# Altium PCB LED_MainBorad.PcbDoc
Units mil, origin at the board's own origin, x right, y up, seen from the top; angles counter-clockwise.
Board outline 4050.03 x 2790.03 mil, 2 copper layers (Top Layer, Bottom Layer); 119 components, 80 nets, 442 pads, 292 vias.
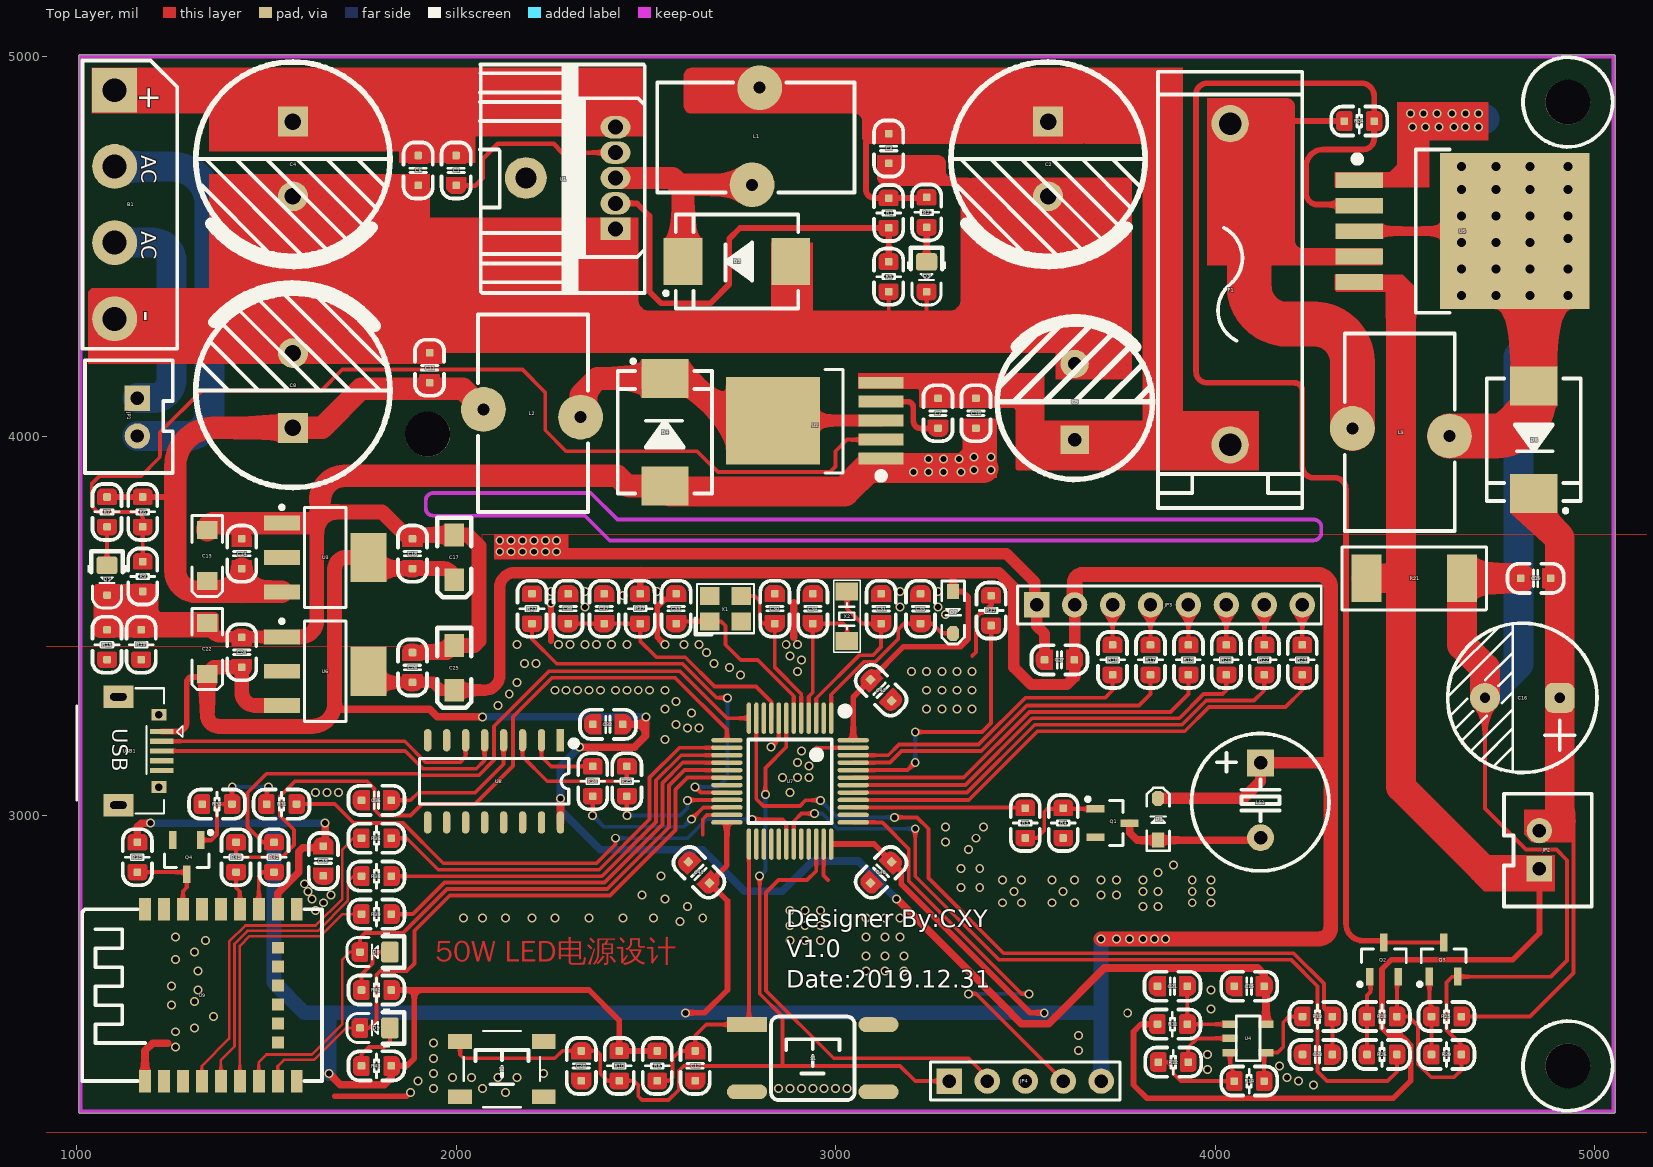
[diagram p0: Top Layer view]
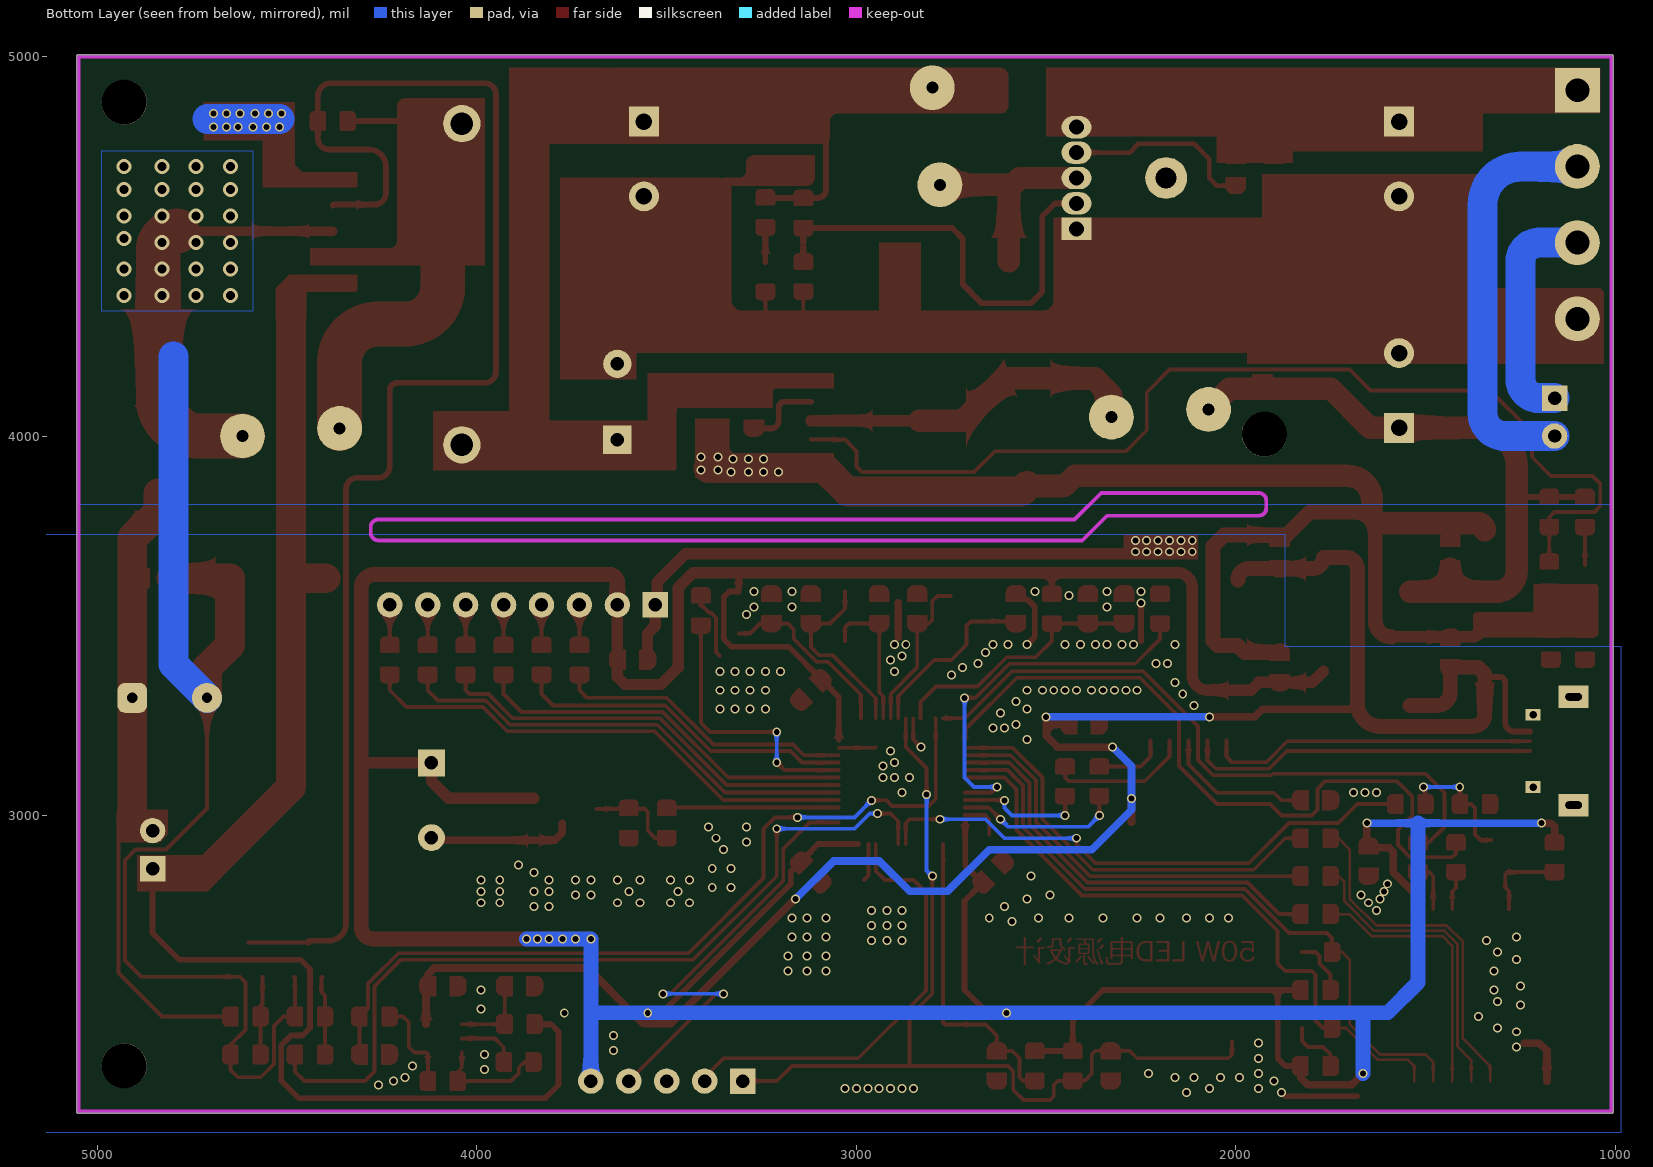
[diagram p1: Bottom Layer view, seen from below]

## Layer stack, top to bottom
Top Solder: solder mask 0.4, Solder Resist, Dk 3.5
Top Layer: signal copper 1.4
Dielectric 1: dielectric 12.6, FR-4, Dk 4.8
Bottom Layer: signal copper 1.4
Bottom Solder: solder mask 0.4, Solder Resist, Dk 3.5

## Board outline
1010,2214.99 cw(c1010,2220) 1004.99,2220 1004.99,5000 cw(c1010,5000) 1010,5005.02 5050,5005.02 cw(c5050,5000) 5055.02,5000 5055.02,2220 cw(c5050,2220) 5050,2214.99

## Design rules (kind name [scope] priority, off if disabled: settings)
Clearance Clearance_4 [InNamedPolygon('NONET_L02_P008')] p1: gap=10 ignorepadtopadclearanceinfootprint=FALSE except(0: Arc-Hole Track-Hole SMDPad-Hole THPad-Hole Via-Hole Fill-Hole Poly-Hole Region-Hole Text-Hole)
Clearance Clearance_3 [InNamedPolygon('NONET_L02_P006')] p2: gap=15 ignorepadtopadclearanceinfootprint=FALSE except(0: Arc-Hole Track-Hole SMDPad-Hole THPad-Hole Via-Hole Fill-Hole Poly-Hole Region-Hole Text-Hole)
Clearance Clearance_2 [InNamedPolygon('NONET_L01_P004')] p3: gap=15 ignorepadtopadclearanceinfootprint=FALSE except(0: Arc-Hole Track-Hole SMDPad-Hole THPad-Hole Via-Hole Fill-Hole Poly-Hole Region-Hole Text-Hole)
Clearance Clearance_1 [InNamedPolygon('NONET_L02_P000')] p4: gap=15 ignorepadtopadclearanceinfootprint=FALSE except(0: Arc-Hole Track-Hole SMDPad-Hole THPad-Hole Via-Hole Fill-Hole Poly-Hole Region-Hole Text-Hole)
Clearance [All] p5: gap=7 ignorepadtopadclearanceinfootprint=FALSE except(0: Arc-Hole Track-Hole SMDPad-Hole THPad-Hole Via-Hole Fill-Hole Poly-Hole Region-Hole Text-Hole)
PolygonConnect PolygonConnect_4 [All vs IsNamedPolygon('NONET_L02_P008')] p1: connectstyle=Direct reliefconductorwidth=10 reliefentries=4 polygonreliefangle="90 Angle" airgapwidth=10
PolygonConnect PolygonConnect_3 [All vs IsNamedPolygon('NONET_L02_P006')] p2: connectstyle=Direct reliefconductorwidth=10 reliefentries=4 polygonreliefangle="90 Angle" airgapwidth=10
PolygonConnect PolygonConnect_2 [All vs IsNamedPolygon('NONET_L01_P004')] p3: connectstyle=Direct reliefconductorwidth=10 reliefentries=4 polygonreliefangle="90 Angle" airgapwidth=10
PolygonConnect PolygonConnect_1 [All vs IsNamedPolygon('NONET_L02_P000')] p4: connectstyle=Direct reliefconductorwidth=10 reliefentries=4 polygonreliefangle="90 Angle" airgapwidth=10
PolygonConnect [All] p5: connectstyle=Relief reliefconductorwidth=10 reliefentries=4 polygonreliefangle="90 Angle" airgapwidth=10
RoomDefinition LED [InComponentClass('LED')] p1: confinementstyle=ConfineIn formatcopy=TRUE lockcomponents=FALSE outline 0,0 38625,0 38625,8395 0,8395
RoutingVias [All] p1: holewidth=23.62 width=15.75 viastyle="Through Hole" minholewidth=20 minwidth=10 maxholewidth=157.48 maxwidth=78.74
SolderMaskExpansion [All] p1: expansion=4 istentingtop=FALSE
Width [All] p1: maxlimit=196.85 minlimit=7 preferedwidth=10
30 further rules are at their usual default settings.

## Components (designator, comment, footprint, x,y, rotation, side; value= is the part's Value field where it differs from the comment)
B1 "KBL608" KBL 1100,4610 r270 top
C1 "1uF" 0805CC 2000,4700 r90 top
C2 "1000uF/35V" "CAP 5.0*12.5*20" 3560,4730 r270 top
C3 "1uF" 0805CC 3140,4757.72 r90 top
C4 "470uF/50V" "CAP 5.0*12.5*20" 1570,4730 r270 top
C6 "1uF" 0805CC 1900,4700 r90 top
C7 "1uF" 0805CC 3270,4060 r90 top
C8 "680uF/35V" "CAP 5.0*12.5*20" 1570,4120 r90 top
C9 "470uF/50V" "CAP 5.0*10*16" 3630,4090 r90 top
C10 "1uF" 0805CC 3370,4060 r90 top
C11 "1uF" 0805CC 1930,4180 r270 top
C12 "100nF" 0805CC 2630,2340 r270 top
C13 "470uF/35V" "CD A(3216)" 1344.19,3685 r90 top
C14 "100nF" 0805CC 1435,3690 r270 top
C15 "100nF" 0805CC 4090,2550 r180 top
C16 "100uF/60V" CAP-10mm 4810,3310 r270 top
C17 "470uF/35V" C3216 1995,3680 r90 top
C18 "100nF" 0805CC 1885,3690 r270 top
C19 "100nF" 0805CC 4845,3625 r0 top
C20 "10uF" 0805CC 2330,2340 r90 top
C21 "100nF" 0805CC 3887.72,2550 r180 top
C22 "470uF/35V" "CD A(3216)" 1344.19,3440 r90 top
C23 "100nF" 0805CC 4270,2370 r180 top
C24 "100nF" 0805CC 1435,3430 r270 top
C25 "470uF/35V" C3216 1995,3389.06 r90 top
C26 "100nF" 0805CC 1885,3390 r270 top
C27 "100nF" 0805CC 3590,3410 r180 top
C30 "22p" 0805CC 2840,3545 r270 top
C31 "22p" 0805CC 3120,3545 r90 top
C32 "100nF" 0805CC 2400,3240 r180 top
C33 "22p" 0805CC 2580,3545 r270 top
C34 "22p" 0805CC 2940,3545 r90 top
C35 "100nF" 0805CC 3223.91,3545 r90 top
C36 "100nF" 0805CC 1790,3040 r180 top
C37 "10uF" 0805CC 2390,3545 r270 top
C38 "100nF" 0805CC 2295,3545 r270 top
C39 "100nF" 0805CC 1650,2880 r90 top
C40 "1uF" 0805CC 3120,2850 r45 top
C41 "100nF" 0805CC 2640,2850 r315 top
C42 "10nF" 0805CC 3120,3330 r135 top
D1 "1N4148" SOD-323 3850,2990 r90 top
D2 "B540" SMCC 2740,4460 r180 top
D3 "LED" 0805LED 3240,4419.37 r270 top
D4 "B540" SMCC 2550,4010 r90 top
D5 "LED" 0805LED 1080,3620 r270 top
D6 "SR506" SMCC 4840,3990 r270 top
D7 "1N4148" SOD-323 3310,3535 r270 top
D8 "LED" 0805LED 1786.05,2640 r180 top
D9 "LED" 0805LED 1786.05,2440 r180 top
F1 "3A" "FU BLX-A" 4040,4400 r90 top
JP1 "HDR-1X2" XH2.54-LI-2P 1160,4050 r270 top
JP2 "HDR-1X2" XH2.54-LI-2P 4855,2910 r90 top
JP3 "HDR-1X8" HDR2.54-M-LI-8P 3880,3555 r0 top
JP4 "HDR-1X5" HDR2.54-LI-5P 3500,2300 r0 top
L1 "47uH  5A" LMR135 2800,4790 r270 top
L2 "47uH  5A" LMR135 2200,4070 r0 top
L3 "47uH  5A" LMR135 4490,4000 r180 top
LS1 "DC5V" "BEEP 5x9x5.5" 4120,3040 r180 top
Q1 "SS8050" SOT23-3N 3730,2980 r270 top
Q2 "SS8050" SOT23-3N 4445,2620 r0 top
Q3 "SS8050" SOT23-3N 4602.63,2620.19 r0 top
Q4 "SS8050" SOT23-3N 1290,2890 r180 top
R1 "360K" 0805RR 3140,4587.72 r90 top
R2 "10K" 0805RR 3240,4589.37 r270 top
R3 "1K" 0805RR 3500,2980 r270 top
R4 "10K" 0805RR 3600,2980 r270 top
R5 "2K" 0805RR 3140,4420.03 r90 top
R6 "13K" 0805RR 1174.09,3800 r90 top
R7 "10K" 0805RR 1080,3800 r270 top
R8 "10K" 0805RR 2530,2340 r90 top
R9 "1.5K" 0805RR 1174.09,3629.72 r90 top
R10 "10K" 0805RR 2430,2340 r90 top
R11 "1K" 0805RR 3887.72,2450 r0 top
R12 "1K" 0805RR 3890,2350 r0 top
R13 "1K" 0805RR 4270,2470 r180 top
R14 "10K" 0805RR 4090,2300 r180 top
R15 "0R" 0805RR 1080,3450 r270 top
R16 "200R" 0805RR 3730,3410 r90 top
R17 "200R" 0805RR 3830,3410 r90 top
R18 "200R" 0805RR 3930,3410 r90 top
R19 "0R" 0805RR 1170,3450 r270 top
R20 "200R" 0805RR 4030,3410 r90 top
R21 "0.22R 1W" 2512R 4525,3625 r180 top
R22 "200R" 0805RR 4130,3410 r90 top
R23 "200R" 0805RR 4230,3410 r90 top
R24 "200K" 0805RR 4380,4830 r180 top
R25 "300K" 0805RR 4610,2470 r0 top
R26 "1K" 0805RR 4440,2370 r180 top
R27 "10K" 0805RR 2200,3545 r90 top
R28 "10K" 0805RR 4440,2470 r0 top
R29 "3.3K" 0805RR 4610,2370 r180 top
R30 "10K" 0805RR 1160,2890 r270 top
R31 "1K" 0805RR 1540,3030 r180 top
R32 "10K" 0805RR 3410,3540 r270 top
R33 "10K" 0805RR 1370,3030 r180 top
R34 "220" 0805RR 2360,3090 r90 top
R35 "220" 0805RR 2450,3090 r90 top
R36 "220" 0805RR 1790,2940 r180 top
R37 "0R" 0805RR 2485,3545 r90 top
R38 "220" 0805RR 1790,2840 r180 top
R39 "220" 0805RR 1790,2740 r180 top
R40 "10R" 0805RR 1420,2890 r90 top
R41 "10R" 0805RR 1520,2890 r90 top
R42 "220" 0805RR 1790,2540 r180 top
R43 "220" 0805RR 1790,2340 r180 top
S1 "SW-PB" "TSW SMD-6*6*6" 2940,2360 r0 top
S2 "SW-PB" "TSW SMD-4*4*1.5" 2120.73,2331.61 r0 top
U1 "XL4016" TO220-5A 2420,4680 r90 top
U2 "XL4013" TO252-5 2910,4040 r90 top
U3 "AMS1117-5.0" SOT223_N 1655,3680 r0 top
U4 "LM321" SOT23-5 4040,2450 r270 top
U5 "XL6006" TO263-5A 4380,4540 r270 top
U6 "AMS1117-3.3" SOT223_N 1655,3380 r0 top
U7 "STM32F103C8" "LQFP48 7X7_M" 2880,3090 r180 top
U8 "CH340C" SOP16_L 2100,3090 r270 top
U9 "BLE5.0_E104" BLE_E104 1180,2300 r90 top
USB1 "USB-5P" USB-MICRO_A 1110,3170 r270 top
X1 "8M" "OSC 3225-4P" 2710,3545 r0 top
X2 "32.768K" "OSC 3215-2P" 3030,3525 r90 top

## Footprints (in the part's own frame and the unit in brackets; to place one, negate y for a bottom-side part, rotate by r counter-clockwise, add the part's x,y. Pads: shape width x height; smd on the part's side, far side on the other; paste and mask are expansions set on the pad)
0805CC [mil]
  rrect30% 20x20 smd: 1(-39.37,0) 2(39.37,0) 2(39.37,0)
  Top Layer region: -44.29,-26.57 -51.07,-25.23 -56.82,-21.39 -60.66,-15.64 -62.01,-8.86 -62.01,-8.86 -62.01,5.91 -60.43,13.82 -55.95,20.52 -49.25,25 -41.34,26.57 -41.34,26.57 -19.69,26.57 -18.93,26.42 -18.29,26 -17.87,25.36 -17.72,24.61 -17.72,24.61 -17.72,-24.61 -17.87,-25.36 -18.29,-26 -18.93,-26.42 -19.69,-26.57 -19.69,-26.57
  Top Layer region: 44.29,-26.57 51.07,-25.23 56.82,-21.39 60.66,-15.64 62.01,-8.86 62.01,-8.86 62.01,5.91 60.43,13.82 55.95,20.52 49.25,25 41.34,26.57 41.34,26.57 19.69,26.57 18.93,26.42 18.29,26 17.87,25.36 17.72,24.61 17.72,24.61 17.72,-24.61 17.87,-25.36 18.29,-26 18.93,-26.42 19.69,-26.57 19.69,-26.57
  silkscreen extent -74,-38 74,38, body extent -39,-25 39,25, height 28
0805LED [mil]
  rrect30% 46x56 smd: 1(-39.37,0)
  rrect30% 20x20 smd: 2(39.37,0)
  Top Layer region: 61.02,-13.78 61.02,14.76 60.2,18.91 57.85,22.42 54.34,24.77 50.2,25.59 50.2,25.59 23.62,25.59 21.74,25.22 20.14,24.15 19.08,22.55 18.7,20.67 18.7,20.67 18.7,-20.67 19.08,-22.55 20.14,-24.15 21.74,-25.22 23.62,-25.59 23.62,-25.59 49.21,-25.59 53.73,-24.69 57.56,-22.13 60.12,-18.3 61.02,-13.78
  silkscreen extent -77,-51 74,51, body extent -39,-25 39,25, height 31
0805RR [mil]
  rrect30% 20x20 smd: 1(-39.37,0) 2(39.37,0) 2(39.37,0)
  Top Layer region: -61.02,-13.78 -61.02,14.76 -60.2,18.91 -57.85,22.42 -54.34,24.77 -50.2,25.59 -50.2,25.59 -23.62,25.59 -21.74,25.22 -20.14,24.15 -19.08,22.55 -18.7,20.67 -18.7,20.67 -18.7,-20.67 -19.08,-22.55 -20.14,-24.15 -21.74,-25.22 -23.62,-25.59 -23.62,-25.59 -49.21,-25.59 -53.73,-24.69 -57.56,-22.13 -60.12,-18.3 -61.02,-13.78
  Top Layer region: 61.02,-13.78 61.02,14.76 60.2,18.91 57.85,22.42 54.34,24.77 50.2,25.59 50.2,25.59 23.62,25.59 21.74,25.22 20.14,24.15 19.08,22.55 18.7,20.67 18.7,20.67 18.7,-20.67 19.08,-22.55 20.14,-24.15 21.74,-25.22 23.62,-25.59 23.62,-25.59 49.21,-25.59 53.73,-24.69 57.56,-22.13 60.12,-18.3 61.02,-13.78
  silkscreen extent -74,-38 74,38, body extent -39,-25 39,25, height 20
2512R [mm]
  rect 2x3.2 smd: 1(-3.2,0) 2(3.2,0)
  silkscreen extent -4.83,-2.08 4.83,2.11, body extent -3.2,-1.63 3.2,1.57, height 0.7
"BEEP 5x9x5.5" [mm] "5*9*5.5mm(脚距,直径,高度)"
  rect 1.8x1.8 hole 0.9: 1(0,-2.5)
  round 1.8 hole 0.9: 2(0,2.5)
  silkscreen extent -4.58,-4.47 4.62,4.72, body extent -4.5,-4.5 4.5,4.5, height 5.45
BLE_E104 [mm]
  rect 1.5x0.8 smd: 1(0,0) 2(0,-1.27) 3(0,-2.54) 4(0,-3.81) 5(0,-5.08) 6(0,-6.35) 7(0,-7.62) 8(0,-8.89) 9(0,-10.16) 16(11.5,-10.16) 17(11.5,-8.89) 18(11.5,-7.62) 19(11.5,-6.35) 20(11.5,-5.08) 21(11.5,-3.81) 22(11.5,-2.54) 23(11.5,-1.27) 24(11.5,0)
  rect 0.8x0.8 smd: 10(2.575,-8.89) 11(3.845,-8.89) 12(5.115,-8.89) 13(6.385,-8.89) 14(7.655,-8.89) 15(8.925,-8.89)
  silkscreen extent 0,-11.86 11.5,4.2, body extent 1.27,-11.18 10.41,3.3, height 1
C3216 [mil] "A型/1206 3.2mmx1.6mm（蒜米工坊）"
  rect 60x51.18 smd: 1(-59,0) 2(59,0)
  silkscreen extent -105,-45 105,45, body extent -63,-31 63,32, height 63
"CAP 5.0*10*16" [mm] "脚距5mm直径10mm高度16mm"
  rect 1.9x1.9 hole 0.9: 1(-2.54,0)
  round 1.9 hole 0.9: 2(2.54,0)
  silkscreen extent -5.19,-5.21 5.5,5.19, body extent -5,-5 5.01,5, height 16.04
"CAP 5.0*12.5*20" [mm] "脚距5mm直径12.5mm高度20mm"
  rect 2x2 hole 1.1: 1(-2.5,0)
  round 2 hole 1.1: 2(2.5,0)
  silkscreen extent -6.5,-6.5 6.99,6.5, body extent -6.25,-6.25 6.26,6.25, height 20.03
CAP-10mm [mm]
  rrect50% 2x2 hole 0.7: 1(0,2.5)
  round 2 hole 0.7: 2(0,-2.5)
  silkscreen extent -5,-5 5,5
"CD A(3216)" [mm] "长3.2mm，宽1.6mm，厚1.6mm"
  rect 1.2x1.4 smd: 1(-1.7,0) 2(1.7,0)
  silkscreen extent -2.74,-1.02 2.67,1.02, body extent -1.6,-0.8 1.6,0.8, height 1.6
"FU BLX-A" [mm] "BLX-A型保险丝座"
  round 2.5 hole 1.5: 1(-10.75,0) 2(10.75,0)
  silkscreen extent -14.99,-4.83 14.22,4.83, body extent -15.05,-4.75 14.3,4.75, height 13.9
HDR2.54-LI-5P [mm] "排针，5脚"
  rect 1.7x1.7 hole 0.9: 1(-5.08,0)
  round 1.7 hole 0.9: 2(-2.54,0) 3(0,0) 4(2.54,0) 5(5.08,0)
  silkscreen extent -6.35,-1.27 6.35,1.27, body extent -6.35,-1.27 6.35,1.27, height 8.5
HDR2.54-M-LI-8P [mm] "排母，8脚"
  rect 1.7x1.7 hole 0.9: 1(-8.89,0)
  round 1.7 hole 0.9: 2(-6.35,0) 3(-3.81,0) 4(-1.27,0) 5(1.27,0) 6(3.81,0) 7(6.35,0) 8(8.89,0)
  silkscreen extent -10.16,-1.27 10.16,1.27, body extent -10.16,-1.27 10.16,1.27, height 8.5
KBL [mm] "19*6.25*15.7mm(长宽高)"
  round 3 hole 1.6: AC1(2.55,0) AC2(-2.55,0) DC-(7.65,0)
  rect 3x3 hole 1.6: DC+(-7.65,0)
  silkscreen extent -9.65,-2.16 9.65,4.19, body extent -9.5,-2.1 9.5,4.15, height 14.21
LMR135 [mm] "磁环电感，外径13mm，厚度5mm"
  round 3 hole 0.8: 1(-3.25,0) 2(3.25,-0.508)
  silkscreen extent -3.61,-6.86 3.76,6.35, body extent -3.45,-6.75 3.55,6.25, height 12.5
"LQFP48 7X7_M" [mm] "48脚，体宽7x7mm，脚距0.5mm"
  oval 0.3x2.1 smd: 1(-2.75,-4.227) 2(-2.25,-4.227) 3(-1.75,-4.227) 4(-1.25,-4.227) 5(-0.75,-4.227) 6(-0.25,-4.227) 7(0.25,-4.227) 8(0.75,-4.227) 9(1.25,-4.227) 10(1.75,-4.227) 11(2.25,-4.227) 12(2.75,-4.227) 25(2.75,4.202) 26(2.25,4.202) 27(1.75,4.202) 28(1.25,4.202) 29(0.75,4.202) 30(0.25,4.202) 31(-0.25,4.202) 32(-0.75,4.202) 33(-1.25,4.202) 34(-1.75,4.202) 35(-2.25,4.202) 36(-2.75,4.202)
  oval 2.1x0.3 smd: 13(4.227,-2.75) 14(4.227,-2.25) 15(4.227,-1.75) 16(4.227,-1.25) 17(4.227,-0.75) 18(4.227,-0.25) 19(4.227,0.25) 20(4.227,0.75) 21(4.227,1.25) 22(4.227,1.75) 23(4.227,2.25) 24(4.227,2.75) 37(-4.227,2.75) 38(-4.227,2.25) 39(-4.227,1.75) 40(-4.227,1.25) 41(-4.227,0.75) 42(-4.227,0.25) 43(-4.227,-0.25) 44(-4.227,-0.75) 45(-4.227,-1.25) 46(-4.227,-1.75) 47(-4.227,-2.25) 48(-4.227,-2.75)
  silkscreen extent -3.93,-4.95 2.79,2.79, body extent -4.5,-4.5 4.5,4.5, height 1.45
"OSC 3215-2P" [mm] "3.2*1.5*0.6mm(长宽高)"
  rect 1.2x1.5 smd: 1(-1.65,0) 2(1.65,0)
  silkscreen extent -2.41,-0.89 2.41,0.89, body extent -1.6,-0.75 1.6,0.75, height 0.61
"OSC 3225-4P" [mm] "3.2*2.5*0.7mm(长宽高)"
  rect 1.3x1.2 smd: 1(-1.05,-0.85) 2(1.05,-0.85) 3(1.05,0.85) 4(-1.05,0.85)
  silkscreen extent -2.03,-1.75 1.91,1.65, body extent -1.6,-1.25 1.6,1.25, height 0.7
SMCC [mm] "7.1x5.9*2.3mm（长宽高，不包括引脚）"
  rect 2.6x3.15 smd: 1(-3.6,0) 2(3.6,0)
  silkscreen extent -4.1,-3.15 4.87,3.15, body extent -3.95,-2.9 3.95,2.9, height 2.45
SOD-323 [mm] "1.8x1.3X0.9mm（长宽高，不包括引脚）"
  rect 1x0.8 smd: 1(-1.4,0)
  oct 1x0.8 smd: 2(1.4,0)
  silkscreen extent -2.11,-0.76 2.11,0.76, body extent -1.34,-0.63 1.31,0.67, height 1
SOP16_L [mm] "10.3*6.2*1.8mm（长宽高）"
  rect 1.5x0.5 smd: 1(-2.752,4.445)
  oval 1.5x0.5 smd: 2(-2.752,3.175) 3(-2.752,1.905) 4(-2.752,0.635) 5(-2.752,-0.635) 6(-2.752,-1.905) 7(-2.752,-3.175) 8(-2.752,-4.445) 9(2.752,-4.445) 10(2.752,-3.175) 11(2.752,-1.905) 12(2.752,-0.635) 13(2.752,0.635) 14(2.752,1.905) 15(2.752,3.175) 16(2.752,4.445)
  silkscreen extent -2.69,-5 1.52,5.49, body extent -3,-5 3,5, height 1.9
SOT23-3N [mm] "3x1.3x1mm(长宽高)"
  rect 0.5x1.2 smd: 1(-0.95,-1.143) 2(0.95,-1.143) 3(0,1.143)
  silkscreen extent -1.72,-1.78 1.5,0.7, body extent -1.5,-1.2 1.5,1.2, height 1.05
SOT23-5 [mm]
  rect 0.5x1 smd: 1(0,0) 2(0.95,0) 3(1.9,0) 4(1.9,2.4) 5(0,2.4)
  silkscreen extent -0.55,0.4 2.45,2, body extent -0.5,-0.2 2.4,2.6, height 1.09
SOT223_N [mm] "SOT223, 4-Leads, Body 6.5x3.5mm, Pitch 2.3mm, Lead Span 7mm, IPC Medium Density"
  rect 2.4x1 smd: 1(-2.9,2.3) 2(-2.9,0) 3(-2.9,-2.3)
  rect 2.4x3.3 smd: 4(2.9,0)
  silkscreen extent -3.02,-3.35 1.4,3.47, body extent -1.85,-3.35 1.85,3.35, height 1.7
TO220-5A [mm] "220，5脚晶体管"
  rect 1.5x2 hole 1: 1(-3.4,0)
  oval 1.5x2 hole 1: 2(-1.7,0) 3(0,0) 4(1.7,0) 5(3.4,0)
  round 2.8 hole 1.4: 13(0,6)
  silkscreen extent -7.69,-1.96 7.59,9.07, body extent -7.59,-1.8 7.59,9.07, height 20
TO252-5 [mm] "TO252-5"
  rect 0.8x3 smd: 1(-2.529,-5.328) 2(-1.259,-5.328) 3(0.011,-5.328) 4(1.281,-5.328) 5(2.551,-5.328)
  rect 5.842x6.3 smd: 3(0,1.905)
  silkscreen extent -3.88,-5.53 3.43,-1.59, body extent -3.35,-5.96 3.35,4.05, height 2.3
TO263-5A [mm] "263，5脚晶体管"
  rect 1.05x3.2 smd: 1(-3.4,0) 2(-1.7,0) 3(0,0) 4(1.7,0) 5(3.4,0)
  rect 10.45x10 smd: 3(0,10.414)
  silkscreen extent -5.46,-0.33 5.46,6.04, body extent -5,-0.01 5,13.32, height 4.5
"TSW SMD-4*4*1.5" [mm] "轻触开关，长宽高：4*4*1.5mm"
  rect 1.6x1 smd: 1(-2.8,1.85) 2(-2.8,-1.85) 3(2.8,-1.85) 4(2.8,1.85)
  silkscreen extent -2.55,-2.55 2.55,2.55, body extent -3.2,-2.6 3.2,2.6, height 1.5
"TSW SMD-6*6*6" [mm] "6*6*6mm"
  rect 2.7x1 smd: 1(-4.4,2.261)
  oval 2.7x1 smd: 2(-4.4,-2.239) 3(4.4,-2.239) 4(4.4,2.261)
  silkscreen extent -2.79,-2.79 2.79,2.79, body extent -4.5,-3 4.5,3, height 5.95
USB-MICRO_A [mm] "micro型USB ，5.7*7.8*2.5mm"
  rect 0.35x1.6 smd: 1(-1.3,2.9) 2(-0.65,2.9) 3(0,2.9) 4(0.65,2.9) 5(1.3,2.9)
  rect 1.5x2 hole 0.5 slot 1.1 at 90 deg: 5(-3.625,0) 5(3.625,0)
  rect 0.8x1 hole 0.5: 5(-2.425,2.71) 5(2.425,2.71)
  silkscreen extent -4.19,-2.79 4.19,4.3, body extent -4,-2.71 4,2.89, height 2.8
XH2.54-LI-2P [mm] "接插件，2P"
  rect 1.7x1.7 hole 0.9: 1(-1.27,0)
  round 1.7 hole 0.9: 2(1.27,0)
  silkscreen extent -3.81,-3.51 3.74,2.37, body extent -3.77,-3.3 3.77,2.4, height 7.05

## Part data
B1: library part KBL, "600V/8A整流桥", BOM名称=1KV/2A整流桥, 学习资源=www.ooocke.com, 版权归属=源创客
C1 C3 C6 C7 C10 C11 C12 C14 C15 C18 C19 C20 C21 C23 C24 C26 C27 C30 C31 C32 C33 C34 C35 C36 C37 C38 C39 C40 C41 C42: library part cap
C2 C4 C8 C9 C13 C16 C17 C22 C25: library part Ecap
D1: "高速开关二极管", BOM名称=高速开关二极管, 学习资源=www.ooocke.com, 版权归属=源创客
D2 D4 D6: library part ZENER2, "Zener Diode"
D7: library part D
F1: library part fuse
JP1 JP2: library part "Header 2", "2P接插件", BOM名称=2P接插件, 学习资源=www.ooocke.com, 版权归属=源创客
JP3: library part "Header 8", "8P接插件", BOM名称=8P接插件, 学习资源=www.ooocke.com, 版权归属=源创客
JP4: library part "Header 5", "5P接插件", BOM名称=5P接插件, 学习资源=www.ooocke.com, 版权归属=源创客
L1 L2 L3: library part L1, "电感"
LS1: library part BEEP, "蜂鸣器", BOM名称=蜂鸣器, 学习资源=www.ooocke.com, 版权归属=源创客
Q1 Q2 Q3 Q4: library part 8050-SMD, "高频放大-NPN型", BOM名称=高频放大-NPN型, 学习资源=www.ooocke.com, 属性="40V 1.5A 1W 100MHZ", 版权归属=源创客
R1 R2 R3 R4 R5 R6 R7 R8 R9 R10 R11 R12 R13 R14 R15 R16 R17 R18 R19 R20 R21 R22 R23 R24 R25 R26 R27 R28 R29 R30 R31 R32 R33 R34 R35 R36 R37 R38 R39 R40 R41 R42 R43: library part res
S1 S2: "Switch", LatestRevisionDate=17-Jul-2002, LatestRevisionNote="Re-released for DXP Platform.", PackageReference=SPST-2, Published=24-Mar-1999, Publisher="Altium Limited"
U3 U6: library part AMS1117
U7: "Flaah:64/RAM:20/IO:36", BOM名称=32位STM单片机, 学习资源=www.ooocke.com, 版权归属=源创客
USB1: "微型USB母座", BOM名称=微型USB母座, 学习资源=www.ooocke.com, 版权归属=源创客
X1: library part XTAL-4P, "4脚无源晶振", BOM名称=4脚无源晶振, 学习资源=www.ooocke.com, 版权归属=源创客
X2: library part XTAL-2P, "2脚无源脚晶振", BOM名称=2脚无源脚晶振, 学习资源=www.ooocke.com, 版权归属=源创客

## Free pads (board coordinates)
  round 118.11 hole 118.11 unplated: 2(1925,4005) 2(4930,2340) 2(4930,4880)

## Via types
v1: diameter 23.62, hole 15.75, Top Layer to Bottom Layer, tented both sides, 268 vias
v2: diameter 39.37, hole 23.62, Top Layer to Bottom Layer, tented both sides, 24 vias
